# Altium PCB PA.PcbDoc (part 1 of 3)
Units mm, origin at the board's own origin, x right, y up, seen from the top; angles counter-clockwise.
Board outline 226 x 90 mm, 2 copper layers (Top Layer, Bottom Layer), stack 1.571 mm thick; 288 components, 121 nets, 837 pads, 1182 vias.
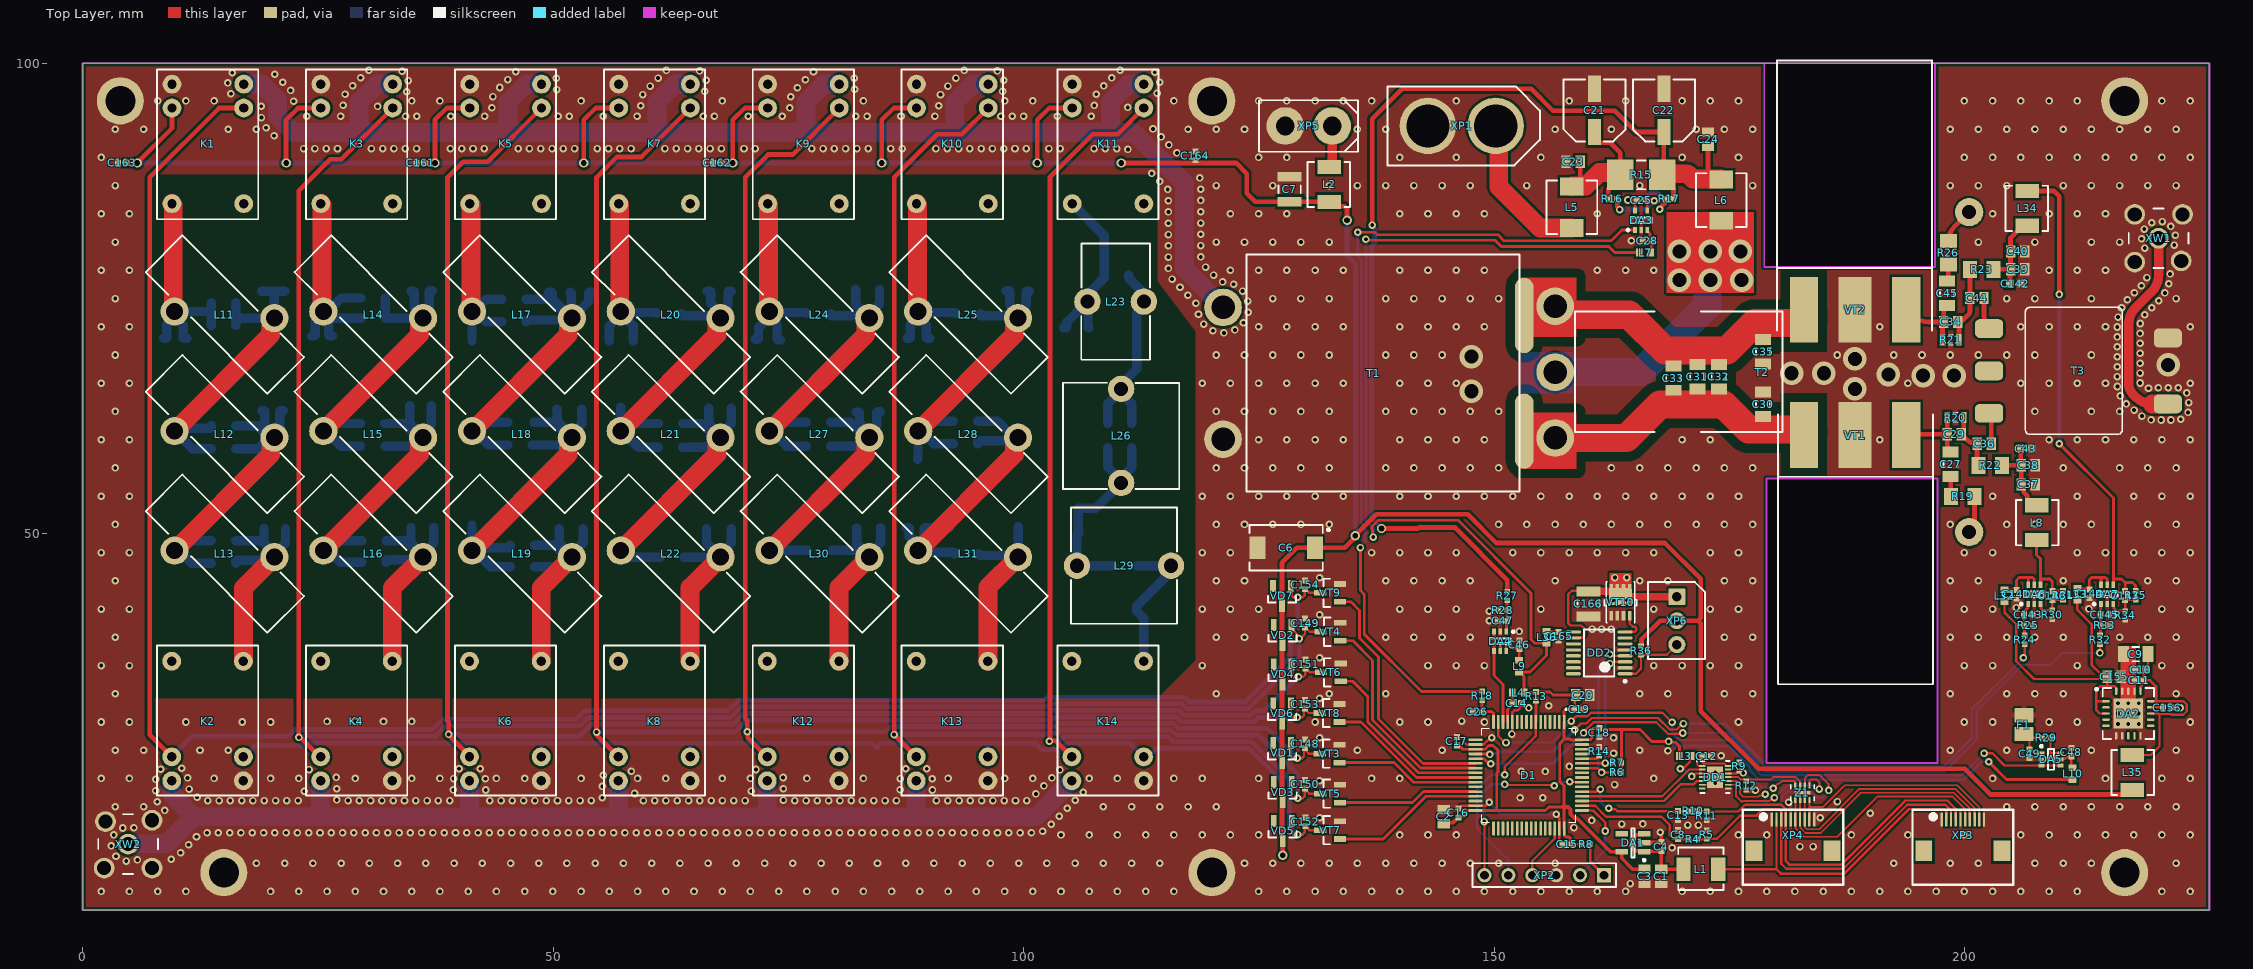
[diagram p0: Top Layer view]
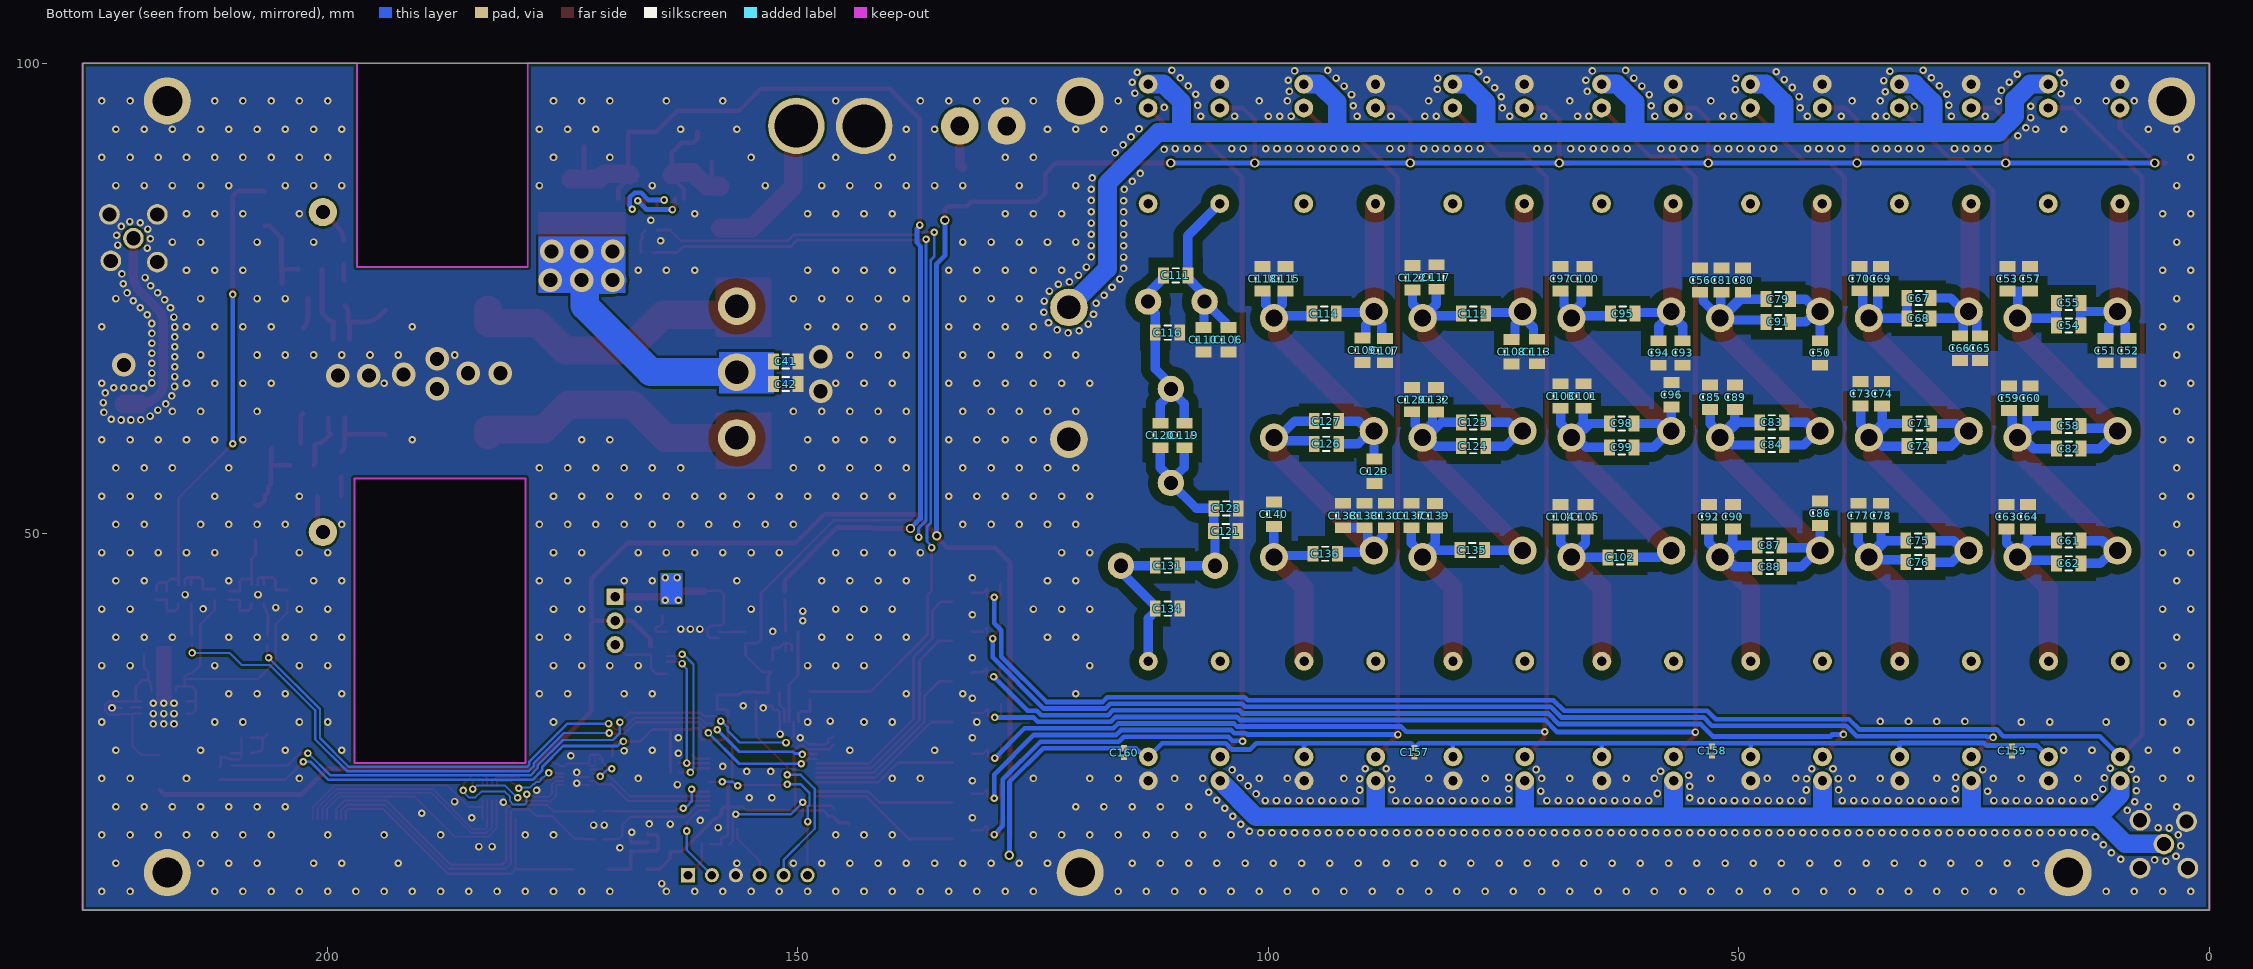
[diagram p1: Bottom Layer view, seen from below]
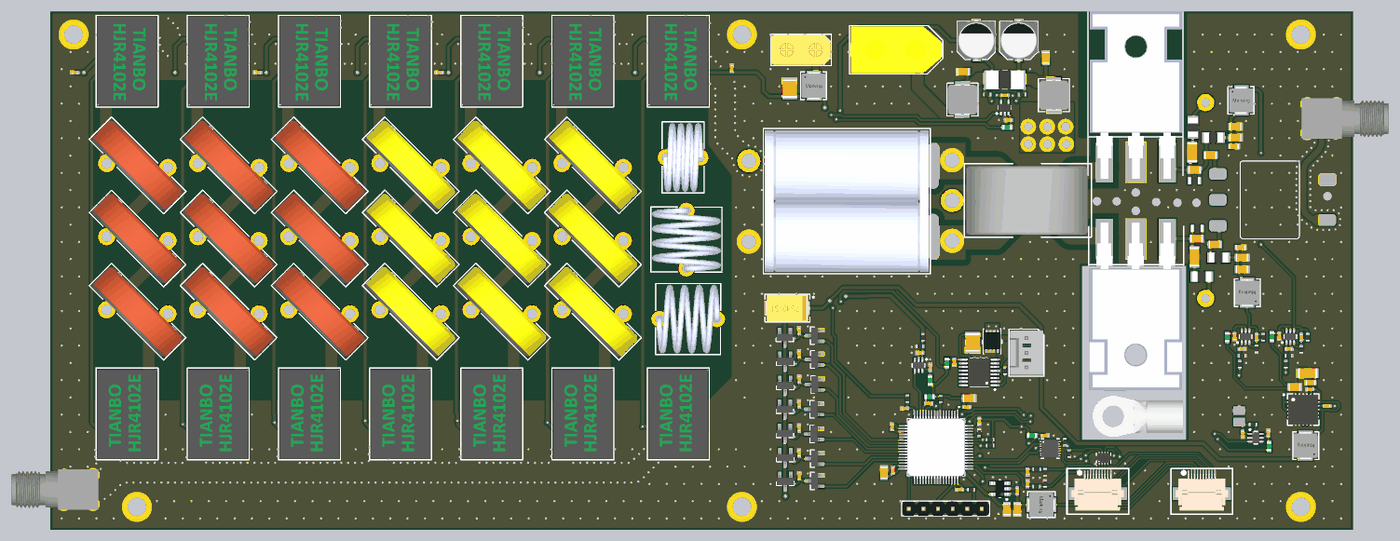
[diagram p4: 3D render of the assembled board from above, using the file's embedded part models]
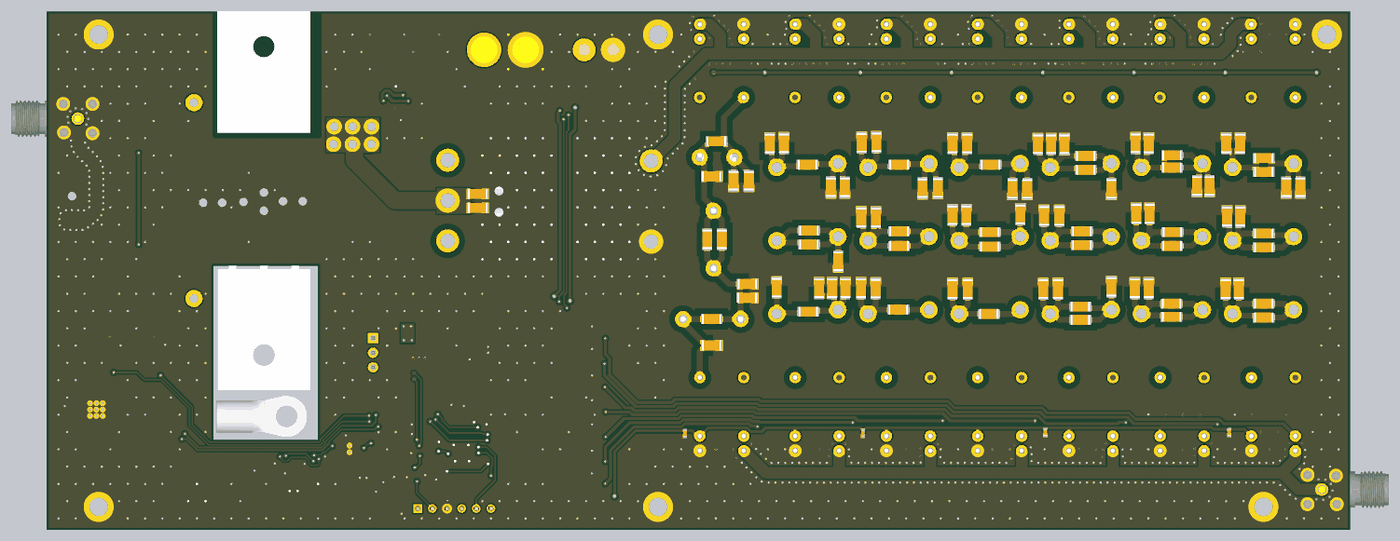
[diagram p5: 3D render of the assembled board from below, using the file's embedded part models]

## Layer stack, top to bottom
Top Solder: solder mask 0.0102, Solder Resist, Dk 3.5
Top Layer: signal copper 0.0356
Dielectric 1: dielectric 1.5, FR-4, Dk 4.8
Bottom Layer: signal copper 0.0356
Bottom Solder: solder mask 0.0102, Solder Resist, Dk 3.5

## Board outline
0,10 0,100 226,100 226,10
cut-out: 197.118,25.654 197.118,55.88 178.957,55.88 178.957,25.654
cut-out: 178.703,100 178.703,78.359 196.864,78.359 196.864,100

## Design rules (kind name [scope] priority, off if disabled: settings)
Clearance Clearance_1 [InNetClass('RF CLR')] p1: gap=0.25 ignorepadtopadclearanceinfootprint=FALSE except(1: Arc-Fill Arc-Poly Arc-Region Track-Fill Track-Poly Track-Region SMDPad-Fill SMDPad-Poly SMDPad-Region THPad-Fill THPad-Poly THPad-Region Via-Fill Via-Poly Via-Region Fill-Fill Fill-Poly Fill-Region Poly-Poly Poly-Region Region-Region)
Clearance [All] p2: gap=0.2 ignorepadtopadclearanceinfootprint=FALSE except(0.25: Arc-Fill Arc-Poly Arc-Region Track-Fill Track-Poly Track-Region SMDPad-Fill SMDPad-Poly SMDPad-Region THPad-Fill THPad-Poly THPad-Region Via-Fill Via-Poly Via-Region Fill-Fill Fill-Poly Fill-Region Poly-Poly Poly-Region Region-Region)
HoleSize [All] p1: absolutevalues=TRUE maxlimit=5 minlimit=0.2 maxpercent=80.000 minpercent=20.000
PolygonConnect [All] p1: connectstyle=Direct reliefconductorwidth=0.254 reliefentries=4 polygonreliefangle="90 Angle" airgapwidth=0.254
RoutingVias [All] p1: holewidth=0.4 width=0.8 viastyle="Through Hole" minholewidth=0.3 minwidth=0.7 maxholewidth=4 maxwidth=5
SolderMaskExpansion [All] p1: expansion=0.102 istentingtop=FALSE
SupplyNets "Schematic Supply Nets_35" [InNet('IN_5V')] p1: voltage=0.000
SupplyNets "Schematic Supply Nets_2" [InNet('VDD_12V')] p2: voltage=0.000
SupplyNets "Schematic Supply Nets_22" [InNet('I2C_SCL')] p3: voltage=0.000
SupplyNets "Schematic Supply Nets_7" [InNet('I2C_SDA')] p4: voltage=0.000
SupplyNets "Schematic Supply Nets_34" [InNet('RELAY4')] p5: voltage=0.000
SupplyNets "Schematic Supply Nets_33" [InNet('RELAY6')] p6: voltage=0.000
SupplyNets "Schematic Supply Nets_32" [InNet('RELAY2')] p7: voltage=0.000
SupplyNets "Schematic Supply Nets_31" [InNet('BAND3_EN')] p8: voltage=0.000
SupplyNets "Schematic Supply Nets_30" [InNet('BAND2_EN')] p9: voltage=0.000
SupplyNets "Schematic Supply Nets_29" [InNet('BAND6_EN')] p10: voltage=0.000
SupplyNets "Schematic Supply Nets_28" [InNet('BAND4_EN')] p11: voltage=0.000
SupplyNets "Schematic Supply Nets_27" [InNet('RELAY0')] p12: voltage=0.000
SupplyNets "Schematic Supply Nets_26" [InNet('RELAY3')] p13: voltage=0.000
SupplyNets "Schematic Supply Nets_25" [InNet('BAND1_EN')] p14: voltage=0.000
SupplyNets "Schematic Supply Nets_24" [InNet('RELAY1')] p15: voltage=0.000
SupplyNets "Schematic Supply Nets_23" [InNet('RELAY5')] p16: voltage=0.000
SupplyNets "Schematic Supply Nets_21" [InNet('BAND5_EN')] p17: voltage=0.000
SupplyNets "Schematic Supply Nets_11" [InNet('BAND0_EN')] p18: voltage=0.000
SupplyNets "Schematic Supply Nets_20" [InNet('DAC_BIAS2')] p19: voltage=0.000
SupplyNets "Schematic Supply Nets_19" [InNet('VDD_5V0')] p20: voltage=0.000
SupplyNets "Schematic Supply Nets_18" [InNet('DAC_BIAS1')] p21: voltage=0.000
SupplyNets "Schematic Supply Nets_17" [InNet('CON_RS422Z')] p22: voltage=0.000
SupplyNets "Schematic Supply Nets_16" [InNet('ADC_CURRENT')] p23: voltage=0.000
SupplyNets "Schematic Supply Nets_15" [InNet('VDD_28V')] p24: voltage=0.000
SupplyNets "Schematic Supply Nets_14" [InNet('GND')] p25: voltage=0.000
SupplyNets "Schematic Supply Nets_13" [InNet('CON_RS422A')] p26: voltage=0.000
SupplyNets "Schematic Supply Nets_12" [InNet('ADC_VOLT')] p27: voltage=0.000
SupplyNets "Schematic Supply Nets_10" [InNet('PA_OUT')] p28: voltage=0.000
SupplyNets "Schematic Supply Nets_9" [InNet('CON_TX_FAIL')] p29: voltage=0.000
SupplyNets "Schematic Supply Nets_8" [InNet('VDD_3V3')] p30: voltage=0.000
SupplyNets "Schematic Supply Nets_6" [InNet('ADC_TEMP')] p31: voltage=0.000
SupplyNets "Schematic Supply Nets_5" [InNet('CON_RS422B')] p32: voltage=0.000
SupplyNets "Schematic Supply Nets_3" [InNet('CON_TXON')] p33: voltage=0.000
SupplyNets "Schematic Supply Nets_1" [InNet('TX_FAIL')] p34: voltage=0.000
SupplyNets "Schematic Supply Nets" [InNet('CON_RS422Y')] p35: voltage=0.000
Width [All] p1: maxlimit=5 minlimit=0.125 preferedwidth=0.25
29 further rules are at their usual default settings.

## Classes and differential pairs
net class "RF CLR": NetC30_2 NetC31_1 NetC50_1 NetC51_1 NetC53_1 NetC56_1 NetC58_1 NetC61_1 NetC65_1 NetC67_1 NetC71_2 NetC75_1 NetC83_1 NetC87_1 NetC93_1 NetC95_1 NetC98_1 NetC102_1 NetC106_1 NetC107_1 NetC108_1 NetC111_1 NetC112_1 NetC114_1 NetC119_1 NetC124_1 NetC126_1 NetC131_1 NetC135_1 NetC136_1
component class PA_MCU: C1 C2 C3 C4 C6 C7 C8 C9 C10 C11 C12 C13 C14 C15 C16 C17 C18 C19 C20 C155 C156 C165 C166 D1 DA1 DA2 DD1 DD2 L1 L2 L3 L4 L35 L36 R4 R5 R6 R7 R8 R9 R10 R11 R12 R13 R14 R36 VT10 XP1 XP2 XP3 XP4 XP5 XP6 Z1
component class PA_LPF: C50 C51 C52 C53 C54 C55 C56 C57 C58 C59 C60 C61 C62 C63 C64 C65 C66 C67 C68 C69 C70 C71 C72 C73 C74 C75 C76 C77 C78 C79 C80 C81 C82 C83 C84 C85 C86 C87 C88 C89 C90 C91 C92 C93 C94 C95 C96 C97 C98 C99 C100 C101 C102 C103 C104 C105 C106 C107 C108 C109 C110 C111 C112 C113 C114 C115 C116 C117 C118 C119 C120 C121 C122 C123 C124 C125 C126 C127 C128 C129 C130 C131 C132 C133 C134 C135 C136 C137 C138 C139 C140 C148 C149 C150 C151 C152 C153 C154 C157 C158 C159 C160 C161 C162 C163 C164 K1 K2 K3 K4 K5 K6 K7 K8 K9 K10 K11 K12 K13 K14 L11 L12 L13 L14 L15 L16 L17 L18 L19 L20 L21 L22 L23 L24 L25 L26 L27 L28 L29 L30 L31 VD1 VD2 VD3 VD4 VD5 VD6 VD7 VT3 VT4 VT5 VT6 VT7 VT8 VT9 XW2
component class PA_AMP: C21 C22 C23 C24 C25 C26 C27 C28 C29 C30 C31 C32 C33 C34 C35 C36 C37 C38 C39 C40 C41 C42 C43 C44 C45 C46 C47 C48 C49 C141 C142 C143 C144 C145 C146 C147 DA3 DA4 DA5 DA6 DA7 F1 L5 L6 L7 L8 L9 L10 L32 L33 L34 R15 R16 R17 R18 R19 R20 R21 R22 R23 R24 R25 R26 R27 R28 R29 R30 R31 R32 R33 R34 R35 T1 T2 T3 VT1 VT2 XW1

## Components (designator, comment, footprint, x,y, rotation, side; value= is the part's Value field where it differs from the comment)
C1 "22мк" CAPC2012X12L 167.767,13.589 r90 top
C2 "22мк" CAPC2012X12L 144.653,19.939 r270 top
C3 "22мк" CAPC2012X12L 165.989,13.589 r90 top
C4 "1мк" CAPC1005X06N 167.767,16.764 r270 top
C6 "22мк" CAPMP7343X28L 127.889,48.514 r0 top
C7 "10мк" CAPC3225X27L 128.27,86.614 r270 top
C8 "0.01мк" CAPC1005X06N 169.545,18.034 r270 top
C9 "100мк" CAPC3216X19L 218.186,37.211 r0 top
C10 "10мк" CAPC1608X08L 218.694,35.56 r0 top
C11 "0.1мк" CAPC1005X06N 218.567,34.417 r0 top
C12 "1мк" CAPC1005X06N 172.607,26.383 r180 top
C13 "0.01мк" CAPC1005X06N 169.545,20.066 r90 top
C14 "0.1мк" CAPC1005X06N 152.4,32.004 r180 top
C15 "0.1мк" CAPC1005X06N 157.748,16.985 r0 top
C16 "0.1мк" CAPC1005X06N 146.191,20.335 r270 top
C17 "0.1мк" CAPC1005X06N 146.05,27.94 r270 top
C18 "0.1мк" CAPC1005X06N 161.177,28.875 r90 top
C19 "0.1мк" CAPC1005X06N 159.018,31.336 r180 top
C20 "22мк" CAPC2012X12L 159.399,32.86 r180 top
C21 "33мк" CAPAE7664X77L 160.669,94.996 r90 top
C22 "33мк" CAPAE7664X77L 168.035,94.996 r90 top
C23 "1000" CAPC2012X12L 158.383,89.535 r0 top
C24 "1000" CAPC2012X12L 172.734,91.948 r270 top
C25 "0.01мк" CAPC1005X06N 165.622,85.471 r0 top
C26 "0.1мк" CAPC1005X06N 148.223,31.082 r0 top
C27 "1000" CAPC3216X19L 198.515,57.404 r90 top
C28 "0.1мк" CAPC1005X06N 166.257,81.153 r0 top
C29 "1000" CAPC2012X12L 198.896,60.579 r0 top
C30 "220" CAPC3216X19L 178.576,63.754 r270 top
C31 "150" CAPC3216X19L 171.591,66.675 r270 top
C32 "150" CAPC3216X19L 173.877,66.675 r270 top
C33 "150" CAPC3216X19L 169.037,66.548 r270 top
C34 "1000" CAPC2012X12L 198.527,72.517 r0 top
C35 "220" CAPC3216X19L 178.576,69.342 r90 top
C36 "0,01мк" CAPC2012X12L 202.071,59.563 r0 top
C37 "0,01мк" CAPC2012X12L 206.77,55.245 r180 top
C38 "1000" CAPC2012X12L 206.77,57.277 r180 top
C39 "1000" CAPC2012X12L 205.627,78.105 r180 top
C40 "0,01мк" CAPC2012X12L 205.627,80.01 r180 top
C41 "1000" CAPC3216X19L 151.271,68.326 r0 bottom
C42 "2,2мк" CAPC3216X19L 151.271,65.913 r0 bottom
C43 "0.1мк" CAPC1608X08L 206.516,59.055 r180 top
C44 "0,01мк" CAPC2012X12L 201.309,75.057 r0 top
C45 "1000" CAPC3216X19L 198.134,75.565 r270 top
C46 "0.1мк" CAPC1005X06N 152.668,38.194 r90 top
C47 "100" CAPC1005X06N 150.89,40.734 r180 top
C48 "0.1мк" CAPC1005X06N 211.342,26.797 r90 top
C49 "1000" CAPC1005X06N 206.897,26.622 r270 top
C50 "470" CAPC3216X19L 41.369,69.215 r270 bottom
C51 "1000" CAPC3216X19L 11.049,69.469 r270 bottom
C52 "470" CAPC3216X19L 8.603,69.469 r270 bottom
C53 "2200" CAPC3216X19L 21.463,77.089 r90 bottom
C54 "100" CAPC3216X19L 14.953,72.136 r180 bottom
C55 "22" CAPC3216X19L 14.953,74.549 r180 bottom
C56 "220" CAPC3216X19L 54.102,76.962 r90 bottom
C57 "220" CAPC3216X19L 19.05,77.089 r90 bottom
C58 "470" CAPC3216X19L 14.953,61.468 r180 bottom
C59 "220" CAPC3216X19L 21.303,64.389 r90 bottom
C60 "2200" CAPC3216X19L 19.017,64.389 r90 bottom
C61 "220" CAPC3216X19L 14.953,49.276 r180 bottom
C62 "220" CAPC3216X19L 14.953,46.863 r180 bottom
C63 "1000" CAPC3216X19L 21.557,51.816 r90 bottom
C64 "220" CAPC3216X19L 19.271,51.816 r90 bottom
C65 "470" CAPC3216X19L 24.351,69.723 r270 bottom
C66 "470" CAPC3216X19L 26.51,69.723 r270 bottom
C67 "27" CAPC3216X19L 30.861,75.057 r180 bottom
C68 "22" CAPC3216X19L 30.861,72.898 r180 bottom
C69 "1000" CAPC3216X19L 34.892,77.089 r90 bottom
C70 "470" CAPC3216X19L 37.178,77.119 r90 bottom
C71 "220" CAPC3216X19L 30.798,61.722 r0 bottom
C72 "10" CAPC3216X19L 30.828,59.309 r180 bottom
C73 "1000" CAPC3216X19L 37.051,64.897 r90 bottom
C74 "470" CAPC3216X19L 34.765,64.897 r90 bottom
C75 "100" CAPC3216X19L 30.955,49.276 r180 bottom
C76 "47" CAPC3216X19L 30.955,46.99 r180 bottom
C77 "470" CAPC3216X19L 37.305,51.943 r90 bottom
C78 "470" CAPC3216X19L 34.892,51.943 r90 bottom
C79 "10" CAPC3216X19L 45.814,74.93 r180 bottom
C80 "220" CAPC3216X19L 49.53,76.962 r90 bottom
C81 "470" CAPC3216X19L 51.816,76.962 r90 bottom
C82 "100" CAPC3216X19L 14.953,59.055 r180 bottom
C83 "47" CAPC3216X19L 46.482,61.849 r180 bottom
C84 "47" CAPC3216X19L 46.482,59.436 r180 bottom
C85 "470" CAPC3216X19L 53.053,64.516 r90 bottom
C86 "220" CAPC3216X19L 41.369,52.197 r90 bottom
C87 "47" CAPC3216X19L 46.736,48.768 r180 bottom
C88 "10" CAPC3216X19L 46.736,46.482 r180 bottom
C89 "100" CAPC3216X19L 50.386,64.516 r90 bottom
C90 "220" CAPC3216X19L 50.64,51.816 r90 bottom
C91 "10" CAPC3216X19L 45.814,72.517 r180 bottom
C92 "220" CAPC3216X19L 53.18,51.816 r90 bottom
C93 "100" CAPC3216X19L 55.974,69.215 r270 bottom
C94 "100" CAPC3216X19L 58.514,69.215 r270 bottom
C95 "27" CAPC3216X19L 62.324,73.406 r180 bottom
C96 "220" CAPC3216X19L 57.15,64.77 r90 bottom
C97 "100" CAPC3216X19L 68.928,77.089 r90 bottom
C98 "27" CAPC3216X19L 62.451,61.722 r180 bottom
C99 "100" CAPC3216X19L 62.451,59.182 r180 bottom
C100 "47" CAPC3216X19L 66.388,77.089 r90 bottom
C101 "220" CAPC3216X19L 66.515,64.643 r90 bottom
C102 "100" CAPC3216X19L 62.611,47.498 r180 bottom
C103 "100" CAPC3216X19L 68.928,64.643 r90 bottom
C104 "100" CAPC3216X19L 68.928,51.816 r90 bottom
C105 "100" CAPC3216X19L 66.294,51.816 r90 bottom
C106 "22" CAPC3216X19L 104.234,70.612 r270 bottom
C107 "100" CAPC3216X19L 87.597,69.469 r270 bottom
C108 "100" CAPC3216X19L 74.135,69.342 r270 bottom
C109 "22" CAPC3216X19L 90.01,69.499 r270 bottom
C110 "47" CAPC3216X19L 106.901,70.612 r270 bottom
C111 "10" CAPC3216X19L 109.852,77.47 r180 bottom
C112 "10" CAPC3216X19L 78.199,73.406 r180 bottom
C113 "47" CAPC3216X19L 71.468,69.372 r270 bottom
C114 "10" CAPC3216X19L 94.074,73.406 r180 bottom
C115 "100" CAPC3216X19L 98.163,77.113 r90 bottom
C116 "100" CAPC3216X19L 110.711,71.374 r180 bottom
C117 "220" CAPC3216X19L 82.136,77.288 r90 bottom
C118 "27" CAPC3216X19L 100.617,77.089 r90 bottom
C119 "10" CAPC3216X19L 108.933,60.452 r90 bottom
C120 "27" CAPC3216X19L 111.473,60.452 r90 bottom
C121 "47" CAPC3216X19L 104.543,50.292 r180 bottom
C122 "47" CAPC3216X19L 84.676,77.216 r90 bottom
C123 "47" CAPC3216X19L 88.74,56.642 r270 bottom
C124 "27" CAPC3216X19L 78.199,59.309 r180 bottom
C125 "10" CAPC3216X19L 78.199,61.849 r180 bottom
C126 "10" CAPC3216X19L 93.82,59.563 r180 bottom
C127 "27" CAPC3216X19L 93.82,61.976 r180 bottom
C128 "47" CAPC3216X19L 104.488,52.705 r180 bottom
C129 "220" CAPC3216X19L 84.742,64.262 r90 bottom
C130 "100" CAPC3216X19L 87.503,51.943 r90 bottom
C131 "27" CAPC3216X19L 110.711,46.609 r180 bottom
C132 "47" CAPC3216X19L 82.202,64.232 r90 bottom
C133 "27" CAPC3216X19L 89.789,51.943 r90 bottom
C134 "47" CAPC3216X19L 110.711,42.037 r180 bottom
C135 "27" CAPC3216X19L 78.326,48.26 r180 bottom
C136 "27" CAPC3216X19L 93.947,47.879 r180 bottom
C137 "100" CAPC3216X19L 84.803,51.943 r90 bottom
C138 "47" CAPC3216X19L 92.075,51.943 r90 bottom
C139 "47" CAPC3216X19L 82.263,51.913 r90 bottom
C140 "100" CAPC3216X19L 99.408,52.07 r90 bottom
C141 "0.1мк" CAPC1005X06N 205.5,43.561 r90 top
C142 "0.1мк" CAPC1608X08L 205.373,76.581 r180 top
C143 "1000" CAPC1005X06N 206.77,41.402 r180 top
C144 "0.1мк" CAPC1005X06N 213.247,43.64 r90 top
C145 "1000" CAPC1005X06N 214.898,41.402 r180 top
C146 "1000" CAPC1005X06N 209.31,43.434 r270 top
C147 "1000" CAPC1005X06N 217.057,43.434 r270 top
C148 "0.01мк" CAPC1005X06N 129.921,27.686 r270 top
C149 "0.01мк" CAPC1005X06N 129.921,40.513 r270 top
C150 "0.01мк" CAPC1005X06N 129.921,23.368 r270 top
C151 "0.01мк" CAPC1005X06N 129.935,36.162 r270 top
C152 "0.01мк" CAPC1005X06N 129.935,19.398 r270 top
C153 "0.01мк" CAPC1005X06N 129.921,31.877 r270 top
C154 "0.01мк" CAPC1005X06N 129.921,44.577 r270 top
C155 "47мк" CAPC2012X12L 215.9,34.798 r180 top
C156 "1мк" CAPC1005X06N 221.545,31.53 r180 top
C157 "0.01мк" CAPC1005X06N 84.455,26.797 r90 bottom
C158 "0.01мк" CAPC1005X06N 52.832,26.924 r90 bottom
C159 "0.01мк" CAPC1005X06N 20.955,26.924 r90 bottom
C160 "0.01мк" CAPC1005X06N 115.316,26.749 r90 bottom
C161 "0.01мк" CAPC1005X06N 35.941,89.408 r0 top
C162 "0.01мк" CAPC1005X06N 67.437,89.408 r0 top
C163 "0.01мк" CAPC1005X06N 4.191,89.408 r0 top
C164 "0.01мк" CAPC1005X06N 118.237,90.17 r270 top
C165 "0.1мк" CAPC1005X06N 156.845,39.116 r90 top
C166 "10мк" CAPC3225X27L 160.02,42.545 r90 top
D1 "STM32F103RCT6" QFP50P1200X1200X160-64N 153.684,24.351 r270 top
DA1 "LP5907MFX-3.3" SOT23-5AM 164.752,17.159 r180 top
DA2 "TPS7A4700" QFN65P500X500X100_HS-21L 217.394,30.899 r0 top
DA3 "INA280A3IDCKR" SOT65P210X110-5L 165.622,83.312 r90 top
DA4 "MAX4231AXT-T" TSOP65P210X100-6L 150.636,38.575 r270 top
DA5 "MAX4231AXT-T" TSOP65P210X100-6L 209.174,26.02 r0 top
DA6 "MAX4231AXT-T" TSOP65P210X100-6L 207.405,43.561 r90 top
DA7 "MAX4231AXT-T" TSOP65P210X100-6L 215.152,43.561 r90 top
DD1 "MAX13433EETD+" SON40P300X80_HS-15L 173.489,24.134 r0 top
DD2 "MAX6650EUB" SOP64P600X175-16N 161.163,37.338 r180 top
F1 "NTCALUG01" NTCALUG01T 184.418,29.718 r180 top
K1 "HJR4102-L-12VDC-S-Z" HJR4102 17.112,95.25 r90 top
K2 "HJR4102-L-12VDC-S-Z" HJR4102 9.462,26.289 r270 top
K3 "HJR4102-L-12VDC-S-Z" HJR4102 32.936,95.25 r90 top
K4 "HJR4102-L-12VDC-S-Z" HJR4102 25.286,26.289 r270 top
K5 "HJR4102-L-12VDC-S-Z" HJR4102 48.76,95.25 r90 top
K6 "HJR4102-L-12VDC-S-Z" HJR4102 41.11,26.289 r270 top
K7 "HJR4102-L-12VDC-S-Z" HJR4102 64.585,95.25 r90 top
K8 "HJR4102-L-12VDC-S-Z" HJR4102 56.935,26.289 r270 top
K9 "HJR4102-L-12VDC-S-Z" HJR4102 80.409,95.25 r90 top
K10 "HJR4102-L-12VDC-S-Z" HJR4102 96.233,95.25 r90 top
K11 "HJR4102-L-12VDC-S-Z" HJR4102 112.775,95.25 r90 top
K12 "HJR4102-L-12VDC-S-Z" HJR4102 72.759,26.289 r270 top
K13 "HJR4102-L-12VDC-S-Z" HJR4102 88.583,26.289 r270 top
K14 "HJR4102-L-12VDC-S-Z" HJR4102 105.125,26.289 r270 top
L1 "2,2мкГн" CSAB0420 171.958,14.351 r180 top
L2 "2,2мкГн" CSAB0420 132.475,87.122 r270 top
L3 "BLM18PG121SN1D" INDC1608X08L 170.321,26.383 r0 top
L4 "BLM18PG121SN1D" INDC1608X08L 152.541,33.114 r0 top
L5 "0,22мкГн" CSAB0530 158.256,84.709 r90 top
L6 "0,22мкГн" CSAB0530 174.131,85.471 r270 top
L7 "BLM18PG121SN1D" INDC1608X08L 166.036,79.883 r0 top
L8 "2,2мкГн" CSAB0420 207.659,51.181 r90 top
L9 "BLM18PG121SN1D" INDC1608X08L 152.654,35.941 r90 top
L10 "BLM18PG121SN1D" INDC1608X08L 211.469,24.511 r90 top
L11 "4.79 мкГн" T68-2 13.302,71.501 r135 top
L12 "3.85 мкГн" T68-2 13.302,58.801 r135 top
L13 "3.85 мкГн" T68-2 13.302,46.101 r135 top
L14 "2.51 мкГн" T68-2 29.107,71.501 r135 top
L15 "2.28 мкГн" T68-2 29.107,58.801 r135 top
L16 "2.28 мкГн" T68-2 29.107,46.101 r135 top
L17 "1.48 мкГн" T68-2 44.912,71.501 r135 top
L18 "1.28 мкГн" T68-2 44.912,58.801 r135 top
L19 "1.28 мкГн" T68-2 44.912,46.101 r135 top
L20 "676 нГн" T68-6 60.718,71.501 r135 top
L21 "470 нГн" T68-6 60.718,58.801 r135 top
L22 "470 нГн" T68-6 60.718,46.101 r135 top
L23 "177 нГн" "COIL D11 W4 L6" 106.774,74.676 r0 top
L24 "470 нГн" T68-6 76.523,71.501 r135 top
L25 "381 нГн" T68-6 92.328,71.501 r135 top
L26 "130 нГн" "COIL D11 W4 L10" 110.362,65.405 r270 top
L27 "470 нГн" T68-6 76.523,58.801 r135 top
L28 "300 нГн" T68-6 92.328,58.801 r135 top
L29 "130 нГн" "COIL D11 W4 L10" 105.663,46.609 r0 top
L30 "381 нГн" T68-6 76.523,46.101 r135 top
L31 "300 нГн" T68-6 92.328,46.101 r135 top
L32 "BLM18PG121SN1D" INDC1608X08L 204.23,43.434 r90 top
L33 "BLM18PG121SN1D" INDC1608X08L 211.977,43.561 r90 top
L34 "2,2мкГн" CSAB0420 206.643,84.582 r270 top
L35 "2,2мкГн" CSAB0420 217.805,24.638 r90 top
L36 "BLM18PG121SN1D" INDC1608X08L 155.575,38.989 r90 top
R4 "100" RESC1005X06N 171.127,17.526 r180 top
R5 "10к" RESC1005X06N 172.593,18.034 r90 top
R6 "4.7к" RESC1005X06N 163.068,24.638 r0 top
R7 "4.7к" RESC1005X06N 163.068,25.654 r0 top
R8 "100" RESC1005X06N 159.766,17.018 r0 top
R9 "180к" RESC1005X06N 176.029,25.277 r90 top
R10 "100" RESC1005X06N 171.152,20.541 r180 top
R11 "10к" RESC1005X06N 172.607,20.033 r270 top
R12 "180к" RESC1005X06N 176.784,23.241 r90 top
R13 "10к" RESC1005X06N 154.446,32.733 r90 top
R14 "100" RESC1005X06N 161.177,26.891 r90 top
R15 "0.003" RESC6332X04N 165.622,88.138 r0 top
R16 "10" RESC1005X06N 162.574,85.598 r0 top
R17 "10" RESC1005X06N 168.601,85.598 r180 top
R18 "100" RESC1005X06N 148.731,32.791 r90 top
R19 "33" RESC3216X04L 199.785,53.975 r0 top
R20 "18" RESC2012X05L 199.023,62.357 r180 top
R21 "18" RESC2012X05L 198.515,70.612 r180 top
R22 "33" RESC3216X04L 202.706,57.277 r0 top
R23 "33" RESC3216X04L 201.817,78.105 r0 top
R24 "100" RESC1005X06N 206.389,38.735 r90 top
R25 "10к" RESC1005X06N 206.77,40.259 r0 top
R26 "33" RESC3216X04L 198.261,79.883 r90 top
R27 "91к" RESC1005X06N 151.398,43.401 r90 top
R28 "10к" RESC1005X06N 150.89,41.877 r0 top
R29 "10к" RESC1005X06N 208.675,28.321 r180 top
R30 "10к" RESC1005X06N 209.31,41.402 r90 top
R31 "10к" RESC1005X06N 210.453,43.464 r90 top
R32 "100" RESC1005X06N 214.39,38.735 r90 top
R33 "10к" RESC1005X06N 214.898,40.259 r0 top
R34 "10к" RESC1005X06N 217.057,41.333 r90 top
R35 "10к" RESC1005X06N 218.2,43.464 r90 top
R36 "10к" RESC1005X06N 165.608,37.592 r90 top
T1 "Трансформатор PUM_IN" TRSF_OUT 138.19,67.056 r0 top
T2 "Трансформатор PUM_IN" TRSF_VOLT 156.478,67.183 r0 top
T3 "Трансформатор PUM_IN" Transformer_KV_PAIN 211.596,67.31 r180 top
VD1 "BAS16" SOT23_N 127.461,26.73 r270 top
VD2 "BAS16" SOT23_N 127.508,39.243 r270 top
VD3 "BAS16" SOT23_N 127.522,22.539 r270 top
VD4 "BAS16" SOT23_N 127.508,35.052 r270 top
VD5 "BAS16" SOT23_N 127.522,18.416 r270 top
VD6 "BAS16" SOT23_N 127.461,30.921 r270 top
VD7 "BAS16" SOT23_N 127.447,43.4 r270 top
VT1 "MRF300AN" TO-247-3 188.355,59.482 r180 top
VT2 "MRF300BN" TO-247-3 188.355,74.803 r0 top
VT3 "PDTC114ET" SOT23_N 132.509,26.637 r180 top
VT4 "PDTC114ET" SOT23_N 132.602,39.591 r180 top
VT5 "PDTC114ET" SOT23_N 132.568,22.38 r180 top
VT6 "PDTC114ET" SOT23_N 132.636,35.273 r180 top
VT7 "PDTC114ET" SOT23_N 132.568,18.509 r180 top
VT8 "PDTC114ET" SOT23_N 132.509,30.955 r180 top
VT9 "PDTC114ET" SOT23_N 132.568,43.721 r180 top
VT10 "SiSS10DN" PowerPAK_1212-8W 163.442,42.845 r90 top
XP1 "XT60-F" XT60-F 146.558,93.345 r180 top
XP2 "PLS-6" HDR1X6 161.671,13.716 r180 top
XP3 "FH12-10S-0.5SVA" FH12-10S-0.5SH 199.805,19.652 r0 top
XP4 "FH12-10S-0.5SVA" FH12-10S-0.5SH 181.751,19.652 r0 top
XP5 "XT30UPB-M" XT30UPB-M 130.302,93.345 r180 top
XP6 "22232031" 22232031 169.418,40.767 r90 top
XW1 "SMA-JR" SMA-JR 220.613,81.407 r90 top
XW2 "SMA-JR" SMA-JR 4.826,17.018 r270 top
Z1 "EClamp2394P" SON50P160X65_HS-9N 182.765,22.476 r90 top

## Footprints (in the part's own frame and the unit in brackets; to place one, negate y for a bottom-side part, rotate by r counter-clockwise, add the part's x,y. Pads: shape width x height; smd on the part's side, far side on the other; paste and mask are expansions set on the pad)
22232031 [mm]
  rrect10% 1.8x1.8 hole 1 mask+0.05: 1(2.54,0)
  round 1.8 hole 1 mask+0.05: 2(0,0) 3(-2.54,0)
  silkscreen extent -4.08,-3 4.1,3.08, body extent -3.81,-2.9 3.81,2.9, height 11.72
CAPAE7664X77L [mm] "Aluminum Electrolytic Capacitor, Body 6,35x6,35x7,70mm, IPC High Density"
  rect 2.8x1.4 smd: 1(-2.3,0) 2(2.3,0)
  silkscreen extent -3.3,-3.3 3.3,3.3, body extent -3.5,-3.3 3.5,3.3, height 7.71
CAPC1005X06N [mm] "Chip Capacitor, 2-Leads, Body 1,00x0,50mm, IPC Medium Density"
  rect 0.64x0.64 smd mask+0.05: 1(-0.46,0) 2(0.46,0)
  body extent -0.55,-0.3 0.55,0.3, height 0.6
CAPC1608X08L [mm] "Chip Capacitor, 2-Leads, Body 1,60x0,80mm, IPC High Density"
  rect 0.8x0.85 smd mask+0.08: 1(-0.6,0) 2(0.6,0)
  body extent -0.85,-0.45 0.85,0.45, height 0.8
CAPC2012X12L [mm] "Chip Capacitor, 2-Leads, Body 2,00x1,25mm, IPC High Density"
  rect 1x1.3 smd mask+0.05: 1(-0.75,0) 2(0.75,0)
  body extent -1.05,-0.67 1.05,0.67, height 1.25
CAPC3216X19L [mm] "Chip Capacitor, 2-Leads, Body 3,20x1,60mm, IPC High Density"
  rect 1.15x1.7 smd: 1(-1.3,0) 2(1.3,0)
  silkscreen extent -0.35,-0.75 0.35,0.75, body extent -1.68,-0.87 1.68,0.87, height 1.9
CAPC3225X27L [mm] "Chip Capacitor, 2-Leads, Body 3,20x2,50mm, IPC High Density"
  rect 1.05x2.55 smd: 1(-1.325,0) 2(1.325,0)
  silkscreen extent -0.4,-1.17 0.4,1.18, body extent -1.6,-1.25 1.6,1.25, height 2.7
CAPMP7343X28L [mm] "Molded Capacitor, 2-Leads, Body 7.30x4.30mm, IPC High Density"
  rect 1.7x2.35 smd: 1(-3.05,0) 2(3.05,0)
  silkscreen extent -3.9,-2.4 4.63,2.4, body extent -3.8,-2.3 3.8,2.3, height 3.1
"COIL D11 W4 L6" [mm]
  round 2.8 hole 1.5: 1(0,0) 2(6,0)
  silkscreen extent -0.65,-6.17 6.65,6.17, body extent -0.5,-6 6.5,6, height 14
"COIL D11 W4 L10" [mm]
  round 2.8 hole 1.5: 1(0,0) 2(10,0)
  silkscreen extent -0.65,-6.17 10.65,6.17, body extent -0.5,-6 10.5,6, height 13.99
CSAB0420 [mm] "Wire Wound Inductor, 2-Leads,"
  rect 1.5x2.5 smd: 1(-1.85,0) 2(1.85,0)
  silkscreen extent -2.4,-2.3 2.4,2.2, body extent -2.35,-2.1 2.35,2.1, height 1.85
CSAB0530 [mm] "Precision Wire Wound Inductor, 2-Leads, Body 5,40x5,20mm, IPC Medium Density"
  rect 1.9x2.5 smd: 1(-2.2,0) 2(2.2,0)
  silkscreen extent -2.85,-2.7 2.85,2.7, body extent -2.73,-2.59 2.72,2.56, height 2.89
FH12-10S-0.5SH [mm] "FFC/FPC Connector 10 Circuits"
  rect 1.8x2.2 smd mask+0.051: 0(-4.15,-3.35) 0(4.15,-3.35)
  rect 0.25x1.5 smd mask+0.051: 1(-2.25,0) 2(-1.75,0) 3(-1.25,0) 4(-0.75,0) 5(-0.25,0) 6(0.25,0) 7(0.75,0) 8(1.25,0) 9(1.75,0) 10(2.25,0)
  silkscreen extent -5.35,-6.95 5.35,1.02, body extent -4.55,-6.35 4.55,0.05, height 2.14
HDR1X6 [mm]
  rect 1.5x1.5 hole 0.92: 1(0,0)
  round 1.5 hole 0.92: 2(2.54,0) 3(5.08,0) 4(7.62,0) 5(10.16,0) 6(12.7,0)
  silkscreen extent -1.27,-1.27 13.97,1.27, body extent -1.25,-1.22 13.89,1.28, height 8.2
HJR4102 [mm]
  round 2 hole 1: 1(-10.16,0) 5(0,0) 6(2.54,0) 7(2.54,7.62) 8(0,7.62) 12(-10.16,7.62)
  silkscreen extent -11.83,-1.55 4.1,9.2, body extent -11.58,-1.37 3.92,9.03, height 11.7
INDC1608X08L [mm] "Chip Inductor, 2-Leads, Body 1,60x0,80mm, IPC High Density"
  rect 0.69x0.84 smd: 1(-0.63,0) 2(0.63,0)
  body extent -0.8,-0.4 0.8,0.4, height 0.95
NTCALUG01T [mm] "CNTC Thermistors, 2-Leads, Body 15,7x7,2mm"
  rrect10% 2x1.5 smd: 1(-21.875,1) 2(-21.875,-1)
  body extent -12.1,-3.6 3.6,3.6, height 5.6
PowerPAK_1212-8W [mm]
  rrect10% 1.8x2.4 smd mask+0.05: D(0.47,0.02)
  rrect10% 1x0.4 smd mask+0.05: D(1.33,-0.97) D(1.33,-0.31) D(1.33,0.35) D(1.33,1.01) G(-1.57,-0.97) S(-1.57,0.35) S(-1.57,1.01) S(-1.57,-0.31)
  silkscreen extent -2.29,-1.71 2.08,1.75, body extent -1.65,-1.53 1.65,1.53, height 1.04
QFN65P500X500X100_HS-21L [mm] "QFN, 20-Leads, Body 5,00x5,00mm, Pitch 0,65mm, Thermal Pad 3,15x3,15mm, IPC High Density"
  oval 0.8x0.25 smd mask+0.07: 1(-2.375,1.3) 2(-2.375,0.65) 3(-2.375,0) 4(-2.375,-0.65) 5(-2.375,-1.3) 11(2.375,-1.3) 12(2.375,-0.65) 13(2.375,0) 14(2.375,0.65) 15(2.375,1.3)
  oval 0.25x0.8 smd mask+0.07: 6(-1.3,-2.375) 7(-0.65,-2.375) 8(0,-2.375) 9(0.65,-2.375) 10(1.3,-2.375) 16(1.3,2.375) 17(0.65,2.375) 18(0,2.375) 19(-0.65,2.375) 20(-1.3,2.375)
  rect 3.15x3.15 smd mask+0.07: 21(0,0)
  silkscreen extent -3.5,-2.73 2.73,2.72, body extent -2.66,-2.66 2.66,2.66, height 1
QFP50P1200X1200X160-64N [mm]
  rrect50% 1.49x0.28 smd: 1(-5.67,3.75) 2(-5.67,3.25) 3(-5.67,2.75) 4(-5.67,2.25) 5(-5.67,1.75) 6(-5.67,1.25) 7(-5.67,0.75) 8(-5.67,0.25) 9(-5.67,-0.25) 10(-5.67,-0.75) 11(-5.67,-1.25) 12(-5.67,-1.75) 13(-5.67,-2.25) 14(-5.67,-2.75) 15(-5.67,-3.25) 16(-5.67,-3.75) 33(5.67,-3.75) 34(5.67,-3.25) 35(5.67,-2.75) 36(5.67,-2.25) 37(5.67,-1.75) 38(5.67,-1.25) 39(5.67,-0.75) 40(5.67,-0.25) 41(5.67,0.25) 42(5.67,0.75) 43(5.67,1.25) 44(5.67,1.75) 45(5.67,2.25) 46(5.67,2.75) 47(5.67,3.25) 48(5.67,3.75)
  rrect50% 0.28x1.49 smd: 17(-3.75,-5.67) 18(-3.25,-5.67) 19(-2.75,-5.67) 20(-2.25,-5.67) 21(-1.75,-5.67) 22(-1.25,-5.67) 23(-0.75,-5.67) 24(-0.25,-5.67) 25(0.25,-5.67) 26(0.75,-5.67) 27(1.25,-5.67) 28(1.75,-5.67) 29(2.25,-5.67) 30(2.75,-5.67) 31(3.25,-5.67) 32(3.75,-5.67) 49(3.75,5.67) 50(3.25,5.67) 51(2.75,5.67) 52(2.25,5.67) 53(1.75,5.67) 54(1.25,5.67) 55(0.75,5.67) 56(0.25,5.67) 57(-0.25,5.67) 58(-0.75,5.67) 59(-1.25,5.67) 60(-1.75,5.67) 61(-2.25,5.67) 62(-2.75,5.67) 63(-3.25,5.67) 64(-3.75,5.67)
  silkscreen extent -7.1,-5 5,5, body extent -6,-6 6,6, height 0.72
RESC1005X06N [mm] "Chip Resistor, 2-Leads, Body 1,00x0,50mm, IPC Medium Density"
  rect 0.6x0.6 smd mask+0.05: 1(-0.45,0) 2(0.45,0)
  body extent -0.55,-0.3 0.55,0.3, height 0.6
RESC2012X05L [mm] "Chip Resistor, 2-Leads, Body 2,00x1,25mm, IPC High Density"
  rect 0.6x1.2 smd mask+0.05: 1(-0.875,0) 2(0.875,0)
  silkscreen extent -0.2,-0.5 0.2,0.5, body extent -1,-0.63 1,0.63, height 0.5
RESC3216X04L [mm] "Chip Resistor, 2-Leads, Body 3,20x1,60mm, IPC High Density"
  rect 1.5x1.8 smd: 1(-1.25,0) 2(1.25,0)
  body extent -1.68,-0.87 1.68,0.87, height 0.44
RESC6332X04N [mm] "Chip Resistor, 2-Leads, Body 6,32x3,20mm, IPC Medium Density"
  rect 2.8x3.25 smd: 1(-2.225,0) 2(2.225,0)
  silkscreen extent -0.45,-1.52 0.45,1.53, body extent -3.27,-1.6 3.27,1.6, height 0.4
SMA-JR [mm] "Connector; RF Coaxial, SMA, SM; 5 Position; Vertical - Large Pad Version"
  round 2.2 hole 1.5: 1(0,0) 2(-2.54,2.54) 2(-2.4,-2.4) 2(2.54,-2.54) 2(2.54,2.54)
  silkscreen extent -3.17,-3.17 3.17,3.17, body extent -3.5,-11.6 3.5,3.5, height 10.16
SON40P300X80_HS-15L [mm] "SON, 14-Leads, Body 3.00x3.00mm, Pitch 0.40mm, Thermal Pad 2.30x1.69mm, IPC High Density"
  rect 0.7x0.2 smd mask+0.075: 1(-1.395,1.2) 2(-1.395,0.8) 3(-1.395,0.4) 4(-1.395,0) 5(-1.395,-0.4) 6(-1.395,-0.8) 7(-1.395,-1.2) 8(1.395,-1.2) 9(1.395,-0.8) 10(1.395,-0.4) 11(1.395,0) 12(1.395,0.4) 13(1.395,0.8) 14(1.395,1.2)
  rect 1.69x2.3 smd mask+0.075: 15(0,0)
  silkscreen extent -2,-1.7 1.55,1.75, body extent -1.5,-1.5 1.5,1.5, height 0.73
SON50P160X65_HS-9N [mm] "SON, 8-Leads, Body 2,10x1,60mm, Pitch 0,50mm, Thermal Pad 1,68x0,33mm, IPC Medium Density"
  rect 0.63x0.25 smd mask+0.05: 1(-0.765,0.75) 2(-0.765,0.25) 3(-0.765,-0.25) 4(-0.765,-0.75) 5(0.765,-0.75) 6(0.765,-0.25) 7(0.765,0.25) 8(0.765,0.75)
  rect 0.33x1.68 smd mask+0.05: 9(0,0)
  silkscreen extent -1.3,-1.25 0.85,1.3, body extent -0.85,-1.1 0.85,1.1, height 0.65
SOP64P600X175-16N [mm] "SOP, 16-Leads, Body 4,89x3,90mm, Pitch 0,64mm, IPC Medium Density"
  oval 1.6x0.36 smd: 1(-2.75,2.222) 2(-2.75,1.587) 3(-2.75,0.952) 4(-2.75,0.317) 5(-2.75,-0.318) 6(-2.75,-0.953) 7(-2.75,-1.588) 8(-2.75,-2.223) 9(2.75,-2.222) 10(2.75,-1.587) 11(2.75,-0.952) 12(2.75,-0.317) 13(2.75,0.318) 14(2.75,0.953) 15(2.75,1.588) 16(2.75,2.223)
  silkscreen extent -2.88,-2.5 1.6,3.12, body extent -3.01,-2.5 3.01,2.5, height 1.75
SOT23-5AM [mm] "SOT23, 5-Leads, Body 2.9x1.7mm, Pitch 0.95mm, Lead Span 2.8mm, IPC Low Density"
  rect 1.3x0.6 smd: 1(-1.2,0.95) 2(-1.2,0) 3(-1.2,-0.95) 4(1.2,-0.95) 5(1.2,0.95)
  silkscreen extent -1.33,-1.55 0.15,1.97, body extent -1.5,-1.5 1.5,1.5, height 1.3
SOT23_N [mm] "SOT23, 3-Leads, Body 2.9x1.3mm, Pitch 0.95mm, Lead Span 2.3mm, IPC Medium Density"
  rect 1.3x0.6 smd: 1(-1.05,0.95) 2(-1.05,-0.95) 3(1.05,0)
  silkscreen extent 0,-1.5 0.7,1.5, body extent -1.25,-1.46 1.23,1.46, height 1
SOT65P210X110-5L [mm] "SOT23, 5-Leads, Body 2,00x2,10mm, Pitch 0,65mm, IPC High Density"
  rect 0.65x0.4 smd: 1(-1.025,0.65) 2(-1.025,0) 3(-1.025,-0.65) 4(1.025,-0.65) 5(1.025,0.65)
  silkscreen extent -1.15,-1.1 0.3,1.52, body extent -1.2,-1.07 1.2,1.07, height 1.1
T68-2 [mm]
  round 3 hole 1.8: 1(4,1) 2(-4,-6)
  silkscreen extent -9.15,-5.3 9.13,0.21, body extent -8.9,-5.1 8.9,0, height 17.66
T68-6 [mm]
  round 3 hole 1.8: 1(4,1) 2(-4,-6)
  silkscreen extent -9.15,-5.3 9.13,0.21, body extent -8.9,-5.1 8.9,0, height 17.66
TO-247-3 [mm]
  rect 3x7 smd: 1(-5.44,-1) 3(5.44,-1)
  rect 3.5x7 smd: 2(0,-1)
  silkscreen extent -8.3,-3.22 8.18,25.48, body extent -8.06,-3.86 8.08,25.26, height 2.67
Transformer_KV_PAIN [mm] "BN-43-302, 10,3x13,3x7,5 mm, hole d 3,8 mm"
  rrect50% 3x2 smd: 1(9,4.5) 2(9,0) 3(9,-4.5) 4(-10,-3.5) 5(-10,3.5)
  silkscreen extent -5.15,-6.75 5.15,6.75, body extent -10.15,-6.65 10.16,6.65, height 7.5
TRSF_OUT [mm]
  oval 2x8 smd: 1(15,-6.15) 2(15,6.15)
  round 4 hole 2.5: 3(-17,-7) 4(-17,7)
  silkscreen extent -14.5,-12.57 14.5,12.62, body extent -14.2,-12.28 14.2,12.32, height 12.27
TRSF_VOLT [mm]
  round 4 hole 2.5: 1(0,-7) 2(0,0) 3(0,7)
  round 3 hole 1.5: 4(44,-17) 5(44,17)
  silkscreen extent 2.1,-6.38 24.18,6.43, body extent 2.51,-5.96 23.49,5.96, height 24
TSOP65P210X100-6L [mm] "TSOP, 6-Leads, Body 2,00x1,25mm, Pitch 0,65mm, IPC High Density"
  rect 0.65x0.4 smd: 1(-1.025,0.65) 2(-1.025,0) 3(-1.025,-0.65) 4(1.025,-0.65) 5(1.025,0) 6(1.025,0.65)
  silkscreen extent -1.15,-1.1 0.3,1.53, body extent -1.05,-1 1.05,1, height 0.92
XT30UPB-M [mm]
  round 4 hole 2: 1(-2.5,0) 2(2.5,0)
  silkscreen extent -5.23,-2.73 5.28,2.75, body extent -5.07,-2.6 5.13,2.6, height 9.4
XT60-F [mm]
  round 6 hole 4.6: 1(-3.6,0) 2(3.6,0)
  silkscreen extent -8.29,-4.2 7.91,4.2, body extent -8.16,-4.09 7.74,4.06, height 17.1